# Altium PCB Testopstelling_DA_BOX_V1.0.PcbDoc (part 1 of 3) (continued)
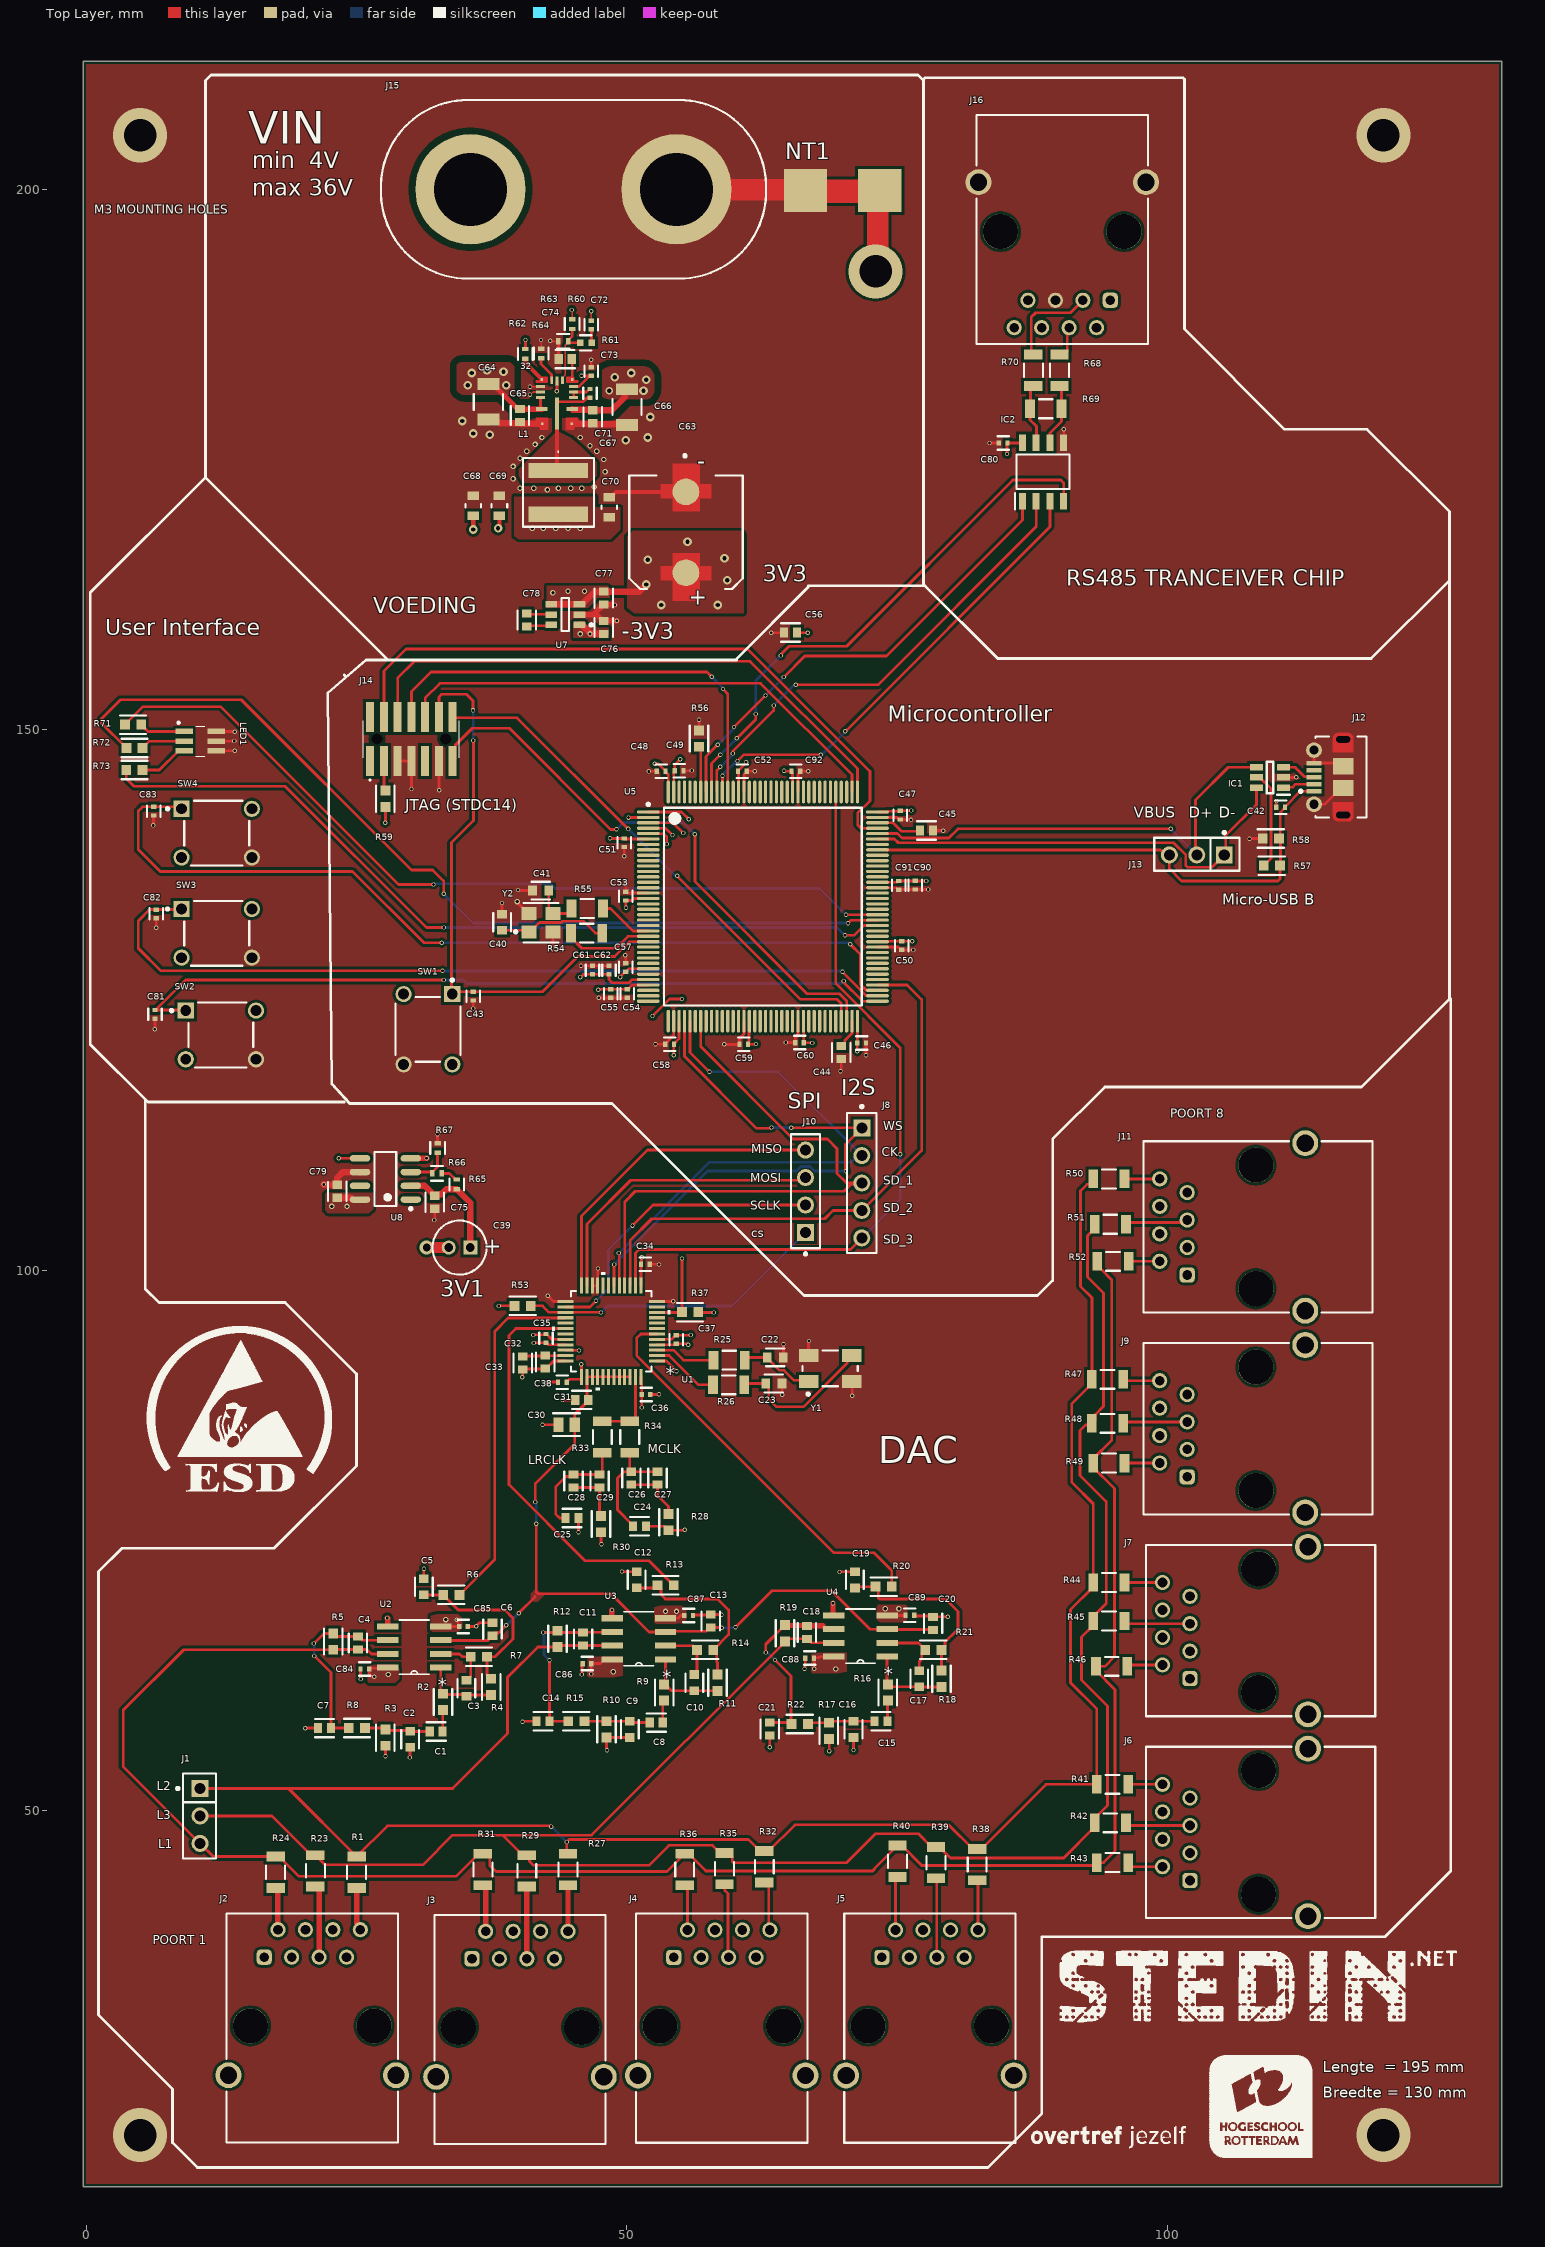
[diagram p0: Top Layer view]
## Components (designator, comment, footprint, x,y, rotation, side; value= is the part's Value field where it differs from the comment)
32 "LM61495RPHR" RPH0016A 43.56,180.226 r180 top
C1 "4.7 uF" FP-C0603C-CF-MFG 32.385,57.346 r0 top value="4.7 μF"
C2 "2.2 nF" FP-AC0603-MFG 29.972,56.63 r90 top
C3 "68 pF" FP-AC0603-MFG 35.179,61.341 r270 top
C4 "15 nF" FP-C0603C-CF-MFG 25.146,65.532 r270 top
C5 "330 pF" FP-AC0603-MFG 31.242,70.727 r90 top
C6 "100 nF" FP-C0603C-CF-MFG 37.592,66.802 r90 top
C7 "15 nF" FP-C0603C-CF-MFG 22.063,57.658 r180 top
C8 "4.7 uF" FP-C0603C-CF-MFG 52.74,58.166 r0 top value="4.7 μF"
C9 "2.2 nF" FP-AC0603-MFG 50.292,57.531 r90 top
C10 "68 pF" FP-AC0603-MFG 56.261,61.861 r270 top
C11 "15 nF" FP-C0603C-CF-MFG 45.974,65.905 r270 top
C12 "330 pF" FP-AC0603-MFG 50.927,71.374 r90 top
C13 "100 nF" FP-C0603C-CF-MFG 57.785,67.564 r90 top
C14 "15 nF" FP-C0603C-CF-MFG 42.256,58.293 r180 top
C15 "4.7 uF" FP-C0603C-CF-MFG 73.533,58.293 r0 top value="4.7 μF"
C16 "2.2 nF" FP-AC0603-MFG 70.993,57.531 r90 top
C17 "68 pF" FP-AC0603-MFG 77.066,62.223 r270 top
C18 "15 nF" FP-C0603C-CF-MFG 66.675,66.513 r270 top
C19 "330 pF" FP-AC0603-MFG 71.12,71.362 r90 top
C20 "100 nF" FP-C0603C-CF-MFG 78.344,67.347 r90 top
C21 "15 nF" FP-C0603C-CF-MFG 63.246,57.566 r270 top
C22 "30 pF" FP-AC0603-MFG 63.754,91.948 r0 top
C23 "30 pF" FP-AC0603-MFG 63.627,89.535 r0 top
C24 "330 pF" FP-C0603C-CF-MFG 51.2,76.327 r180 top
C25 "2.2 nF" FP-C0603C-CF-MFG 44.958,77.089 r180 top
C26 "4.7 nF" FP-C0603C-CF-MFG 50.438,80.772 r90 top
C27 "1 nF" FP-C0603C-CF-MFG 52.851,80.772 r90 top
C28 "33 nF" FP-C0603C-CF-MFG 45.085,80.518 r90 top
C29 "6.8 nF" FP-C0603C-CF-MFG 47.498,80.518 r90 top
C30 "47 uF" FP-C0805C476M9PACTU-MFG 44.45,85.725 r180 top
C31 "100 nF" FP-C0603C-CF-MFG 45.847,88.011 r180 top
C32 "10 uF" FP-C0603C-CF-MFG 42.475,91.509 r270 top
C33 "100 nF" FP-C0603C-CF-MFG 40.386,91.44 r270 top
C34 "100nF" FP-GRM15-MFG 51.729,100.568 r0 top value=0.10μF
C35 "100nF" FP-GRM15-MFG 42.545,93.707 r90 top value=0.10μF
C36 "100nF" FP-GRM15-MFG 51.797,88.519 r0 top value=0.10μF
C37 "100nF" FP-GRM15-MFG 54.585,93.599 r270 top value=0.10μF
C38 "100nF" FP-GRM15-MFG 44.05,89.662 r180 top value=0.10μF
C39 "22 uF" CAPPR55-200-1100X500X1200 34.544,102.108 r180 top
C40 "15 pF" FP-AC0603-MFG 38.481,132.207 r90 top value="30 pF"
C41 "15 pF" FP-AC0603-MFG 42.045,135.128 r180 top value="30 pF"
C42 "100nF" FP-GRM15-MFG 110.497,142.829 r180 top value=0.10μF
C43 "100nF" FP-GRM15-MFG 35.814,125.368 r270 top value=0.10μF
C44 "2.2 uF" FP-C0603C-CF-MFG 69.85,120.142 r270 top value="2.2 μF"
C45 "2.2 uF" FP-C0603C-CF-MFG 77.726,140.688 r0 top value="2.2 μF"
C46 "100nF" FP-GRM15-MFG 71.736,121.031 r0 top value=0.10μF
C47 "100nF" FP-GRM15-MFG 75.311,142.113 r270 top value=0.10μF
C48 "100nF" FP-GRM15-MFG 53.194,146.177 r180 top value=0.10μF
C49 "100nF" FP-GRM15-MFG 54.857,146.223 r0 top value=0.10μF
C50 "100nF" FP-GRM15-MFG 75.438,130.048 r270 top value=0.10μF
C51 "100nF" FP-GRM15-MFG 49.784,139.554 r270 top value=0.10μF
C52 "100nF" FP-GRM15-MFG 60.706,146.177 r0 top value=0.10μF
C53 "100nF" FP-GRM15-MFG 49.911,134.62 r90 top value=0.10μF
C54 "100nF" FP-GRM15-MFG 50.059,125.603 r270 top value=0.10μF
C55 "1uF" FP-GRM15-MFG 48.535,125.603 r270 top value=1μF
C56 "4.7 uF" FP-C0603C-CF-MFG 65.151,159.004 r180 top value="4.7 μF"
C57 "100nF" FP-GRM15-MFG 49.911,128.016 r90 top value=0.10μF
C58 "100nF" FP-GRM15-MFG 53.975,120.904 r180 top value=0.10μF
C59 "100nF" FP-GRM15-MFG 60.833,120.904 r180 top value=0.10μF
C60 "100nF" FP-GRM15-MFG 65.995,121.072 r180 top value=0.10μF
C61 "10nF" FP-GRM15-MFG 46.842,127.779 r90 top
C62 "1uF" FP-GRM15-MFG 48.366,127.779 r90 top value=1μF
C63 "EEHZU1J151V" FP-EEH-G16-V-MFG 55.499,168.275 r270 top
C64 "10uF" FP-GRM32-MFG 37.211,180.34 r270 top
C65 "1 uF" FP-C0603C-CF-MFG 40.132,179.07 r270 top value="1 μF"
C66 "10uF" FP-GRM32-MFG 50.037,179.851 r270 top
C67 "1 uF" FP-C0603C-CF-MFG 46.862,178.962 r270 top value="1 μF"
C68 "22μF" FP-C2012-125-0_2-MFG 35.814,170.724 r90 top
C69 "22μF" FP-C2012-125-0_2-MFG 38.227,170.724 r90 top
C70 "22μF" FP-C2012-125-0_2-MFG 48.387,170.597 r90 top
C71 "100nF" FP-GRM15-MFG 46.608,181.121 r90 top value=0.10μF
C72 "10pF" FP-GRM15-MFG 46.736,187.452 r90 top
C73 "100nF" FP-GRM15-MFG 46.736,183.153 r270 top value=0.10μF
C74 "1 uF" FP-C0603C-CF-MFG 44.322,184.296 r180 top value="1 μF"
C75 "4.7 uF" FP-C0603C-CF-MFG 32.258,106.299 r90 top value="4.7 μF"
C76 "2.2 uF" FP-C0603C-CF-MFG 47.879,159.477 r90 top value="2.2 μF"
C77 "2.2 uF" FP-C0603C-CF-MFG 47.879,162.179 r270 top value="2.2 μF"
C78 "1 uF" FP-C0603C-CF-MFG 40.767,160.147 r270 top value="1 μF"
C79 "4.7 uF" FP-C0603C-CF-MFG 23.241,107.315 r270 top value="4.7 μF"
C80 "100nF" FP-GRM15-MFG 84.825,176.536 r180 top value=0.10μF
C81 "100nF" FP-GRM15-MFG 6.369,123.681 r270 top value=0.10μF
C82 "100nF" FP-GRM15-MFG 6.496,132.971 r270 top value=0.10μF
C83 "100nF" FP-GRM15-MFG 6.242,142.477 r270 top value=0.10μF
C84 "100nF" FP-GRM15-MFG 25.781,63.119 r180 top value=0.10μF
C85 "100nF" FP-GRM15-MFG 34.906,67.056 r0 top value=0.10μF
C86 "100nF" FP-GRM15-MFG 46.336,63.627 r180 top value=0.10μF
C87 "100nF" FP-GRM15-MFG 55.734,68.072 r0 top value=0.10μF
C88 "100nF" FP-GRM15-MFG 66.929,64.135 r180 top value=0.10μF
C89 "100nF" FP-GRM15-MFG 76.2,68.093 r0 top value=0.10μF
C90 "100nF" FP-GRM15-MFG 76.708,135.636 r270 top value=0.10μF
C91 "1uF" FP-GRM15-MFG 75.184,135.617 r270 top value=1μF
C92 "100nF" FP-GRM15-MFG 65.659,146.177 r0 top value=0.10μF (schematic designator C52)
IC1 "USBLC6-2SC6" SOT95P280X145-6N 109.52,145.593 r180 top
IC2 "MAX22506EASA+" SOIC127P600X175-8N 88.519,173.863 r90 top
J1 "929705-11-03-EU" FP-929705-11-03-EU-MFG 10.477,49.53 r270 top
J2 "61500814221" 61500814221 1290.919,1299.914 r0 top
J3 "61500814221" 61500814221 1310.135,1299.77 r0 top
J4 "61500814221" 61500814221 1328.801,1299.899 r0 top
J5 "61500814221" 61500814221 1348.054,1299.899 r0 top
J6 "61500814221" 61500814221 -1161.342,1318.006 r90 top
J7 "61500814221" 61500814221 -1161.342,1336.675 r90 top
J8 "22-28-4050" FP-22-28-4050-MFG 71.755,108.077 r270 top
J9 "61500814221" 61500814221 -1161.596,1355.344 r90 top
J10 "TSW-104-22-G-S" FP-TSW-104-22-G-S-MFG 66.548,107.315 r90 top
J11 "61500814221" 61500814221 -1161.594,1374.016 r90 top
J12 "105017-0001" USB-MICRO-B_V 114.934,145.623 r90 top
J13 "929705-11-03-EU" FP-929705-11-03-EU-MFG 102.743,138.493 r180 top
J14 "FTSH-107-01-L-DV-K-A" FTSH-107-XX-YYY-DV-K-A 30.092,149.141 r0 top
J15 "2269-2" FP-2269-2-MFG 45.085,200 r0 top
J16 "61500814221" 61500814221 -1179.703,-1073.712 r180 top
L1 "XAL6060-822MEC" XAL6060822MEC 43.688,171.97 r270 top
LED1 "ASMT-YTD7-0AA02" ASMTYTD70AA02 10.56,148.954 r270 top
NT1 "NT (AGND en PGND)" NET_TIE_SMD_ 69.723,200.025 r0 top net-tie
R1 "0" FP-CRCW1206-MFG 25.019,44.323 r270 top
R2 "620" FP-RC1608-IPC_B 33.02,60.082 r270 top
R3 "51k" FP-RC1608-IPC_B 27.686,56.769 r90 top
R4 "11k" FP-RC1608-IPC_B 37.465,61.468 r270 top
R5 "10k" FP-RC1608-IPC_B 22.86,65.659 r270 top
R6 "11k" FP-RC1608-IPC_B 33.782,69.977 r180 top
R7 "3k" FP-RC1608-IPC_B 36.333,64.262 r180 top
R8 "10k" FP-RC1608-IPC_B 25.049,57.668 r180 top
R9 "620" FP-RC1608-IPC_B 53.467,60.949 r270 top
R10 "51k" FP-RC1608-IPC_B 48.133,57.542 r90 top
R11 "11k" FP-RC1608-IPC_B 58.399,61.849 r270 top
R12 "10k" FP-RC1608-IPC_B 43.605,65.913 r270 top
R13 "11k" FP-RC1608-IPC_B 53.605,70.866 r180 top
R14 "3k" FP-RC1608-IPC_B 57.266,64.897 r180 top
R15 "10k" FP-RC1608-IPC_B 45.35,58.293 r180 top
R16 "620" FP-RC1608-IPC_B 74.168,60.949 r270 top
R17 "51k" FP-RC1608-IPC_B 68.707,57.404 r90 top
R18 "11k" FP-RC1608-IPC_B 79.121,62.219 r270 top
R19 "10k" FP-RC1608-IPC_B 64.643,66.432 r270 top
R20 "11k" FP-RC1608-IPC_B 73.776,70.739 r180 top
R21 "3k" FP-RC1608-IPC_B 78.37,64.897 r180 top
R22 "10k" FP-RC1608-IPC_B 66.012,58.038 r180 top
R23 "0" FP-CRCW1206-MFG 21.209,44.45 r270 top
R24 "0" FP-CRCW1206-MFG 17.526,44.323 r270 top
R25 "0" FP-CRCW1206-MFG 59.489,91.694 r0 top
R26 "0" FP-CRCW1206-MFG 59.436,89.408 r180 top
R27 "0" FP-CRCW1206-MFG 44.577,44.577 r270 top
R28 "560" FP-RC1608-IPC_B 53.867,76.708 r270 top
R29 "0" FP-CRCW1206-MFG 40.767,44.45 r270 top
R30 "3.3k" FP-RC1608-IPC_B 47.633,76.531 r270 top
R31 "0" FP-CRCW1206-MFG 36.703,44.577 r270 top
R32 "0" FP-CRCW1206-MFG 62.738,44.831 r270 top
R33 "0" FP-CRCW1206-MFG 47.752,84.582 r270 top
R34 "0" FP-CRCW1206-MFG 50.292,84.582 r270 top
R35 "0" FP-CRCW1206-MFG 59.055,44.651 r270 top
R36 "0" FP-CRCW1206-MFG 55.372,44.577 r270 top
R37 "10k" FP-RC1608-IPC_B 55.869,96.139 r0 top
R38 "0" FP-CRCW1206-MFG 82.423,45.032 r270 top
R39 "0" FP-CRCW1206-MFG 78.613,45.212 r270 top
R40 "0" FP-CRCW1206-MFG 75.057,45.339 r270 top
R41 "0" FP-CRCW1206-MFG 94.943,52.451 r0 top
R42 "0" FP-CRCW1206-MFG 94.742,48.895 r0 top
R43 "0" FP-CRCW1206-MFG 94.943,45.212 r0 top
R44 "0" FP-CRCW1206-MFG 94.615,71.12 r0 top
R45 "0" FP-CRCW1206-MFG 94.615,67.564 r0 top
R46 "0" FP-CRCW1206-MFG 94.869,63.373 r0 top
R47 "0" FP-CRCW1206-MFG 94.488,89.916 r0 top
R48 "0" FP-CRCW1206-MFG 94.488,85.852 r0 top
R49 "0" FP-CRCW1206-MFG 94.615,82.169 r0 top
R50 "0" FP-CRCW1206-MFG 94.615,108.458 r0 top
R51 "0" FP-CRCW1206-MFG 94.742,104.267 r0 top
R52 "0" FP-CRCW1206-MFG 94.996,100.838 r0 top
R53 "10k" FP-RC1608-IPC_B 40.386,96.717 r180 top
R54 "0" FP-CRCW1206-MFG 46.302,131.191 r0 top
R55 "0" FP-CRCW1206-MFG 46.355,133.477 r0 top
R56 "10k" FP-RC1608-IPC_B 56.692,149.187 r270 top
R57 "33k" FP-RC1608-IPC_B 109.68,137.439 r180 top
R58 "82k" FP-RC1608-IPC_B 109.59,139.954 r0 top
R59 "22" FP-RC1608-IPC_B 27.686,143.626 r270 top
R60 "100k" FP-CRCW0402-C-e3-MFG 44.958,187.521 r90 top
R61 "4.99k" FP-CRCW0402-e3-MFG 46.228,185.801 r180 top
R62 "100k" FP-CRCW0402-C-e3-MFG 40.64,184.785 r270 top
R63 "43k" FP-CRCW0402-C-e3-MFG 44.138,185.928 r0 top
R64 "82k" FP-CRCW0402-C-e3-MFG 42.088,184.817 r270 top
R65 "270k" FP-CRCW0402-C-e3-MFG 34.29,107.95 r270 top
R66 "20k" FP-CRCW0402-C-e3-MFG 32.454,108.966 r0 top
R67 "20k" FP-CRCW0402-C-e3-MFG 32.512,111.321 r270 top
R68 "0" FP-CRCW1206-MFG 90.043,183.261 r90 top
R69 "120" FP-CRCW1206-MFG 88.773,179.705 r180 top
R70 "0" FP-CRCW1206-MFG 87.63,183.261 r90 top
R71 "39" FP-RC1608-IPC_B 4.347,150.478 r180 top
R72 "39" FP-RC1608-IPC_B 4.474,148.319 r180 top
R73 "82" FP-RC1608-IPC_B 4.464,146.287 r180 top
SW1 "B3F-1000" OMRON-B3F-1000-4_V 31.623,122.301 r270 top
SW2 "B3F-1000" OMRON-B3F-1000-4_V 12.465,121.776 r0 top
SW3 "B3F-1000" OMRON-B3F-1000-4_V 12.084,131.174 r0 top
SW4 "B3F-1000" OMRON-B3F-1000-4_V 12.084,140.445 r0 top
U1 "AD1934WBSTZ-RL" ST_48_ADI 48.575,94.365 r180 top
U2 "OPA1652AID" D8 30.353,65.151 r180 top
U3 "OPA1652AID" D8 51.13,65.913 r180 top
U4 "OPA1652AID" D8 71.628,66.167 r180 top
U5 "STM32F446ZET7" STM-LQFP144_M 62.604,133.65 r0 top
U7 "LM2776DBVR" FP-DBV0006A-MFG 44.323,160.655 r180 top
U8 "LT3021ES8#PBF" LT-S8-8_L 27.686,108.458 r180 top
Y1 "ABM3B-12.288MHZ-B2-T" FP-ABM3B-MFG 68.834,90.932 r0 top
Y2 "ABM8G-12.000MHZ-18-D2Y-T" FP-ABM8G-MFG 42.08,132.168 r0 top

## Footprints (in the part's own frame and the unit in brackets; to place one, negate y for a bottom-side part, rotate by r counter-clockwise, add the part's x,y. Pads: shape width x height; smd on the part's side, far side on the other; paste and mask are expansions set on the pad)
61500814221 [mm] "Modular Jack Horizontal Shielded 8P8C Tab Down"
  rrect50% 1.4x1.4 hole 0.9: 1(-1274.445,-1263.45)
  round 1.4 hole 0.9: 2(-1273.175,-1260.91) 3(-1271.905,-1263.45) 4(-1270.635,-1260.91) 5(-1269.365,-1263.45) 6(-1268.095,-1260.91) 7(-1266.825,-1263.45) 8(-1265.555,-1260.91)
  round 3.25 hole 3.25 unplated: M1(-1275.715,-1269.8) M2(-1264.285,-1269.8)
  round 2.4 hole 1.6: Shell(-1277.75,-1274.37) Shell(-1262.25,-1274.37)
  silkscreen extent -1277.92,-1280.6 -1262.08,-1259.4, body extent -1277.9,-1280.6 -1262.1,-1259.4, height 13.7
ASMTYTD70AA02 [mm]
  rect 0.5x1.6 smd: 1(-0.9,-1.475) 2(0,-1.475) 3(0.9,-1.475) 4(0.9,1.475) 5(0,1.475) 6(-0.9,1.475)
  silkscreen extent -1.8,-2.1 1.4,0.4, body extent -1.4,-1.5 1.4,1.5, height 1.9
CAPPR55-200-1100X500X1200 [mm] "THD, 2-Leads, Dia 5mm, Body Length 11mm"
  rect 1.3x1.3 hole 0.8: 1(-1,0)
  round 1.3 hole 0.8: 2(1,0)
  silkscreen extent -2.5,-2.5 2.5,2.5, body extent -2.5,-2.5 2.5,2.5, height 12
D8 [mil]
  rect 78x22 smd paste-39 mask-39: 1(-97,75) 2(-97,25) 3(-97,-25) 4(-97,-75) 5(97,-75) 6(97,-25) 7(97,25) 8(97,75)
  silkscreen extent -54,-98 54,98, body extent -122,-99 122,99, height 69
FP-22-28-4050-MFG [mm]
  rect 1.57x1.57 hole 1.02 paste-2539.97 mask+0: 1(-5.08,0)
  round 1.57 hole 1.02 paste-2539.97 mask+0: 2(-2.54,0) 3(0,0) 4(2.54,0) 5(5.08,0)
  silkscreen extent -7.2,-1.37 6.48,1.37, body extent -6.58,-1.47 6.58,1.47, height 0.25
FP-2269-2-MFG [mil]
  round 401.83 hole 266 paste-99999 mask+0: 1(-375,0) 2(375,0)
  silkscreen extent -701,-325 701,325, body extent -704,-329 704,329, height 10
FP-929705-11-03-EU-MFG [mm]
  rect 1.57x1.57 hole 1.02 paste-2539.97 mask+0: 1(-2.54,0.063)
  round 1.57 hole 1.02 paste-2539.97 mask+0: 2(0,0.064) 3(2.54,0.064)
  silkscreen extent -3.94,-2.12 3.94,1.52, body extent -4.04,-1.62 4.04,1.62, height 0.25
FP-ABM3B-MFG [mm]
  rect 1.8x1.2 smd paste+0 mask+0: 1(-2,-1.2) 2(2,-1.2) 3(2,1.2) 4(-2,1.2)
  silkscreen extent -2.55,-2.5 2.55,1.65, body extent -3,-1.9 3,1.9, height 0.25
FP-ABM8G-MFG [mm]
  rect 1.4x1.2 smd paste+0 mask+0: 1(-1.1,-0.85) 2(1.1,-0.85) 3(1.1,0.85) 4(-1.1,0.85)
  silkscreen extent -2.47,-1.83 1.6,1.83, body extent -1.9,-1.55 1.9,1.55, height 0.25
FP-AC0603-MFG [mm]
  rect 0.8x0.9 smd paste+0 mask+0: 1(-0.75,0) 2(0.75,0)
  silkscreen extent -0.85,-0.82 0.85,0.82, body extent -1.35,-0.75 1.35,0.75, height 0.25
FP-C0603C-CF-MFG [mm]
  rect 0.75x0.9 smd paste+0 mask+0: 1(-0.6,0) 2(0.6,0)
  silkscreen extent -0.87,-0.85 0.88,0.85, body extent -1.2,-0.6 1.2,0.6, height 0.25
FP-C0805C476M9PACTU-MFG [mm]
  rect 0.95x1.35 smd paste+0 mask+0: 1(-0.75,0) 2(0.75,0)
  silkscreen extent -1.25,-1.05 1.25,1.05, body extent -1.4,-0.85 1.4,0.85, height 0.25
FP-C2012-125-0_2-MFG [mm]
  rect 0.8x1.05 smd paste+0 mask+0: 1(-0.925,0) 2(0.925,0)
  silkscreen extent -0.15,-0.72 0.15,0.72, body extent -1.43,-0.82 1.43,0.82, height 0.25
FP-CRCW0402-C-e3-MFG [mm]
  rect 0.4x0.6 smd paste+0 mask+0: 1(-0.45,0) 2(0.45,0)
  silkscreen extent -0.55,-0.67 0.55,0.67, body extent -0.75,-0.4 0.75,0.4, height 0.25
FP-CRCW0402-e3-MFG [mm]
  rect 0.6x0.6 smd paste+0 mask+0: 1(-0.525,0) 2(0.525,0)
  silkscreen extent -0.53,-0.7 0.53,0.7, body extent -0.92,-0.4 0.92,0.4, height 0.25
FP-CRCW1206-MFG [mm]
  rect 0.9x1.7 smd paste+0 mask+0: 1(-1.45,0) 2(1.45,0)
  silkscreen extent -0.63,-0.87 0.63,0.87, body extent -2,-0.97 2,0.97, height 0.25
FP-DBV0006A-MFG [mm]
  rrect17% 1.1x0.6 smd paste+0 mask+0: 1(-1.3,0.95) 2(-1.3,0) 3(-1.3,-0.95) 4(1.3,-0.95) 5(1.3,0) 6(1.3,0.95)
  silkscreen extent -2.53,-1.53 0.35,1.53, body extent -1.95,-1.78 1.95,1.78, height 0.25
FP-EEH-G16-V-MFG [mm]
  round 2.466 smd paste+0 mask+0: 1(-3.738,-0.012) 2(3.738,-0.012)
  Top Layer region: -6.35,-1.25 -6.35,1.25 -4.45,1.25 -4.45,2.35 -3.15,2.35 -3.15,1.25 -1.95,1.25 -1.95,-1.25 -3.15,-1.25 -3.15,-2.35 -4.45,-2.35 -4.45,-1.25 -6.35,-1.25
  Top Layer region: 6.35,-1.25 6.35,1.25 4.45,1.25 4.45,2.35 3.15,2.35 3.15,1.25 1.95,1.25 1.95,-1.25 3.15,-1.25 3.15,-2.35 4.45,-2.35 4.45,-1.25 6.35,-1.25
  silkscreen extent -7.2,-5.25 5.25,5.25, body extent -6.6,-5.5 6.6,5.5, height 0.25
FP-GRM15-MFG [mm]
  rect 0.4x0.5 smd paste+0 mask+0: 1(-0.4,0) 2(0.4,0)
  silkscreen extent -0.53,-0.63 0.53,0.63, body extent -0.7,-0.38 0.7,0.38, height 0.25
FP-GRM32-MFG [mm]
  rect 1.1x2.05 smd paste+0 mask+0: 1(-1.65,0) 2(1.65,0)
  silkscreen extent -0.72,-1.35 0.72,1.35, body extent -2.3,-1.45 2.3,1.45, height 0.25
FP-RC1608-IPC_B [mm]
  rect 0.91x0.912 smd paste+0 mask+0: 1(-0.751,0) 2(0.751,0)
  silkscreen extent -1.21,-0.86 1.21,0.86, body extent -1.46,-0.71 1.46,0.71, height 0.25
FP-TSW-104-22-G-S-MFG [mm]
  rect 1.57x1.57 hole 1.02 paste-2539.97 mask+0: 1(-3.81,0)
  round 1.57 hole 1.02 paste-2539.97 mask+0: 2(-1.27,0) 3(1.27,0) 4(3.81,0)
  silkscreen extent -5.92,-1.34 5.27,1.34, body extent -5.37,-1.44 5.37,1.44, height 0.25
FTSH-107-XX-YYY-DV-K-A [mm]
  rect 0.74x2.79 smd: 1(-3.81,-2.035) 2(-3.81,2.035) 3(-2.54,-2.035) 4(-2.54,2.035) 5(-1.27,-2.035) 6(-1.27,2.035) 7(0,-2.035) 8(0,2.035) 9(1.27,-2.035) 10(1.27,2.035) 11(2.54,-2.035) 12(2.54,2.035) 13(3.81,-2.035) 14(3.81,2.035)
  round 0.51 hole 1.02 unplated: 15(-3.175,0) 16(3.175,0)
  silkscreen extent -4.44,-3.83 4.44,1.72, body extent -4.44,-3.15 4.45,2.69, height 5.97
LT-S8-8_L [mm] "SOIC, 8-Leads, Body 4.9x3.9mm, Pitch 1.27mm, IPC High Density"
  oval 1.9x0.6 smd: 1(-2.35,1.905) 2(-2.35,0.635) 3(-2.35,-0.635) 4(-2.35,-1.905) 5(2.35,-1.905) 6(2.35,-0.635) 7(2.35,0.635) 8(2.35,1.905)
  silkscreen extent -2.48,-2.5 1,2.88, body extent -2,-2.5 2,2.5, height 1.76
NET_TIE_SMD_ [mm]
  rect 4x4 smd: 1(-3.175,-0.127) 2(3.683,-0.127)
  Top Layer region: -2.159,-1.27 2.413,-1.27 2.413,0.889 -2.159,0.889
OMRON-B3F-1000-4_V [mm] "TH, 4-Leads, Body 6x6mm"
  rect 1.5x1.5 hole 1 paste-2539.97: 1(-3.25,2.25)
  round 1.5 hole 1 paste-2539.97: 2(3.25,2.25) 4(3.25,-2.25)
  round 1.5 hole 1 paste-2539.97 mask+0.102: 3(-3.25,-2.25)
  silkscreen extent -4.67,-3 3,3, body extent -3,-3 3,3, height 4.5
RPH0016A [mm]
  rect 0.25x0.25 smd paste-0.112 mask+0.051: 1(-1.375,1.9) 6(-1.4,-2.175) 10(1.4,-2.175) 15(1.375,1.9)
  rect 1.075x0.4 smd paste+0 mask+0.051: 2(-1.413,0.55) 14(1.413,0.55)
  rect 0.825x0.25 smd paste+0 mask+0.051: 3(-1.538,-0.525) 4(-1.538,-1.025) 5(-1.538,-1.525) 11(1.538,-1.525) 12(1.538,-1.025) 13(1.538,-0.525)
  rect 0.25x0.675 smd paste+0 mask+0.051: 7(-0.5,-2.113) 9(0.5,-2.113)
  rect 0.25x0.825 smd paste+0 mask+0.051: 8(0,-2.038)
  rect 0.35x2.975 smd paste+0 mask+0.051: 16(0,0.963)
  Top Layer region: 1.9,1.35 1.95,1.4 1.95,2.05 1.9,2.1 1.65,2.1 1.6,2.15 1.6,2.4 1.55,2.45 0.85,2.45 0.8,2.4 0.8,1.4 0.85,1.35
  Top Layer region: -1.9,1.35 -1.95,1.4 -1.95,2.05 -1.9,2.1 -1.65,2.1 -1.6,2.15 -1.6,2.4 -1.55,2.45 -0.85,2.45 -0.8,2.4 -0.8,1.4 -0.85,1.35
  Top Layer region: 1.95,-1.95 1.95,-2.05 1.9,-2.1 1.65,-2.1 1.6,-2.15 1.6,-2.4 1.55,-2.45 0.9,-2.45 0.85,-2.4 0.85,-1.95 0.9,-1.9 1.9,-1.9
  Top Layer region: -1.95,-1.95 -1.95,-2.05 -1.9,-2.1 -1.65,-2.1 -1.6,-2.15 -1.6,-2.4 -1.55,-2.45 -0.9,-2.45 -0.85,-2.4 -0.85,-1.95 -0.9,-1.9 -1.9,-1.9
SOIC127P600X175-8N [mm]
  rect 1.525x0.65 smd: 1(-2.712,1.905) 2(-2.712,0.635) 3(-2.712,-0.635) 4(-2.712,-1.905) 5(2.712,-1.905) 6(2.712,-0.635) 7(2.712,0.635) 8(2.712,1.905)
  silkscreen extent -3.47,-2.45 1.6,2.58, body extent -3,-2.45 3,2.45, height 1.75
SOT95P280X145-6N [mm]
  rect 1.2x0.6 smd: 1(-1.25,0.95) 2(-1.25,0) 3(-1.25,-0.95) 4(1.25,-0.95) 5(1.25,0) 6(1.25,0.95)
  silkscreen extent -1.85,-1.46 0.3,1.6, body extent -1.4,-1.46 1.4,1.46, height 1.45
ST_48_ADI [mil]
  rect 58x11 smd paste+0 mask+0: 1(-166,108.27) 2(-166,88.58) 3(-166,68.9) 4(-166,49.21) 5(-166,29.53) 6(-166,9.84) 7(-166,-9.84) 8(-166,-29.53) 9(-166,-49.21) 10(-166,-68.9) 11(-166,-88.58) 12(-166,-108.27) 25(166,-108.27) 26(166,-88.58) 27(166,-68.9) 28(166,-49.21) 29(166,-29.53) 30(166,-9.84) 31(166,9.84) 32(166,29.53) 33(166,49.21) 34(166,68.9) 35(166,88.58) 36(166,108.27)
  rect 11x58 smd paste+0 mask+0: 13(-108.27,-166) 14(-88.58,-166) 15(-68.9,-166) 16(-49.21,-166) 17(-29.53,-166) 18(-9.84,-166) 19(9.84,-166) 20(29.53,-166) 21(49.21,-166) 22(68.9,-166) 23(88.58,-166) 24(108.27,-166) 37(108.27,166) 38(88.58,166) 39(68.9,166) 40(49.21,166) 41(29.53,166) 42(9.84,166) 43(-9.84,166) 44(-29.53,166) 45(-49.21,166) 46(-68.9,166) 47(-88.58,166) 48(-108.27,166)
  silkscreen extent -215,-215 215,215, body extent -181,-181 181,181, height 63
STM-LQFP144_M [mm] "Thin QFP, 144-Leads, Body 20x20mm, Pitch 0.5mm, IPC Low Density"
  oval 2.1x0.3 smd: 1(-10.6,8.75) 2(-10.6,8.25) 3(-10.6,7.75) 4(-10.6,7.25) 5(-10.6,6.75) 6(-10.6,6.25) 7(-10.6,5.75) 8(-10.6,5.25) 9(-10.6,4.75) 10(-10.6,4.25) 11(-10.6,3.75) 12(-10.6,3.25) 13(-10.6,2.75) 14(-10.6,2.25) 15(-10.6,1.75) 16(-10.6,1.25) 17(-10.6,0.75) 18(-10.6,0.25) 19(-10.6,-0.25) 20(-10.6,-0.75) 21(-10.6,-1.25) 22(-10.6,-1.75) 23(-10.6,-2.25) 24(-10.6,-2.75) 25(-10.6,-3.25) 26(-10.6,-3.75) 27(-10.6,-4.25) 28(-10.6,-4.75) 29(-10.6,-5.25) 30(-10.6,-5.75) 31(-10.6,-6.25) 32(-10.6,-6.75) 33(-10.6,-7.25) 34(-10.6,-7.75) 35(-10.6,-8.25) 36(-10.6,-8.75) 73(10.6,-8.75) 74(10.6,-8.25) 75(10.6,-7.75) 76(10.6,-7.25) 77(10.6,-6.75) 78(10.6,-6.25) 79(10.6,-5.75) 80(10.6,-5.25) 81(10.6,-4.75) 82(10.6,-4.25) 83(10.6,-3.75) 84(10.6,-3.25) 85(10.6,-2.75) 86(10.6,-2.25) 87(10.6,-1.75) 88(10.6,-1.25) 89(10.6,-0.75) 90(10.6,-0.25) 91(10.6,0.25) 92(10.6,0.75) 93(10.6,1.25) 94(10.6,1.75) 95(10.6,2.25) 96(10.6,2.75) 97(10.6,3.25) 98(10.6,3.75) 99(10.6,4.25) 100(10.6,4.75) 101(10.6,5.25) 102(10.6,5.75) 103(10.6,6.25) 104(10.6,6.75) 105(10.6,7.25) 106(10.6,7.75) 107(10.6,8.25) 108(10.6,8.75)